# Altium PCB cyber60-mx.PcbDoc (part 2 of 4) (continued)
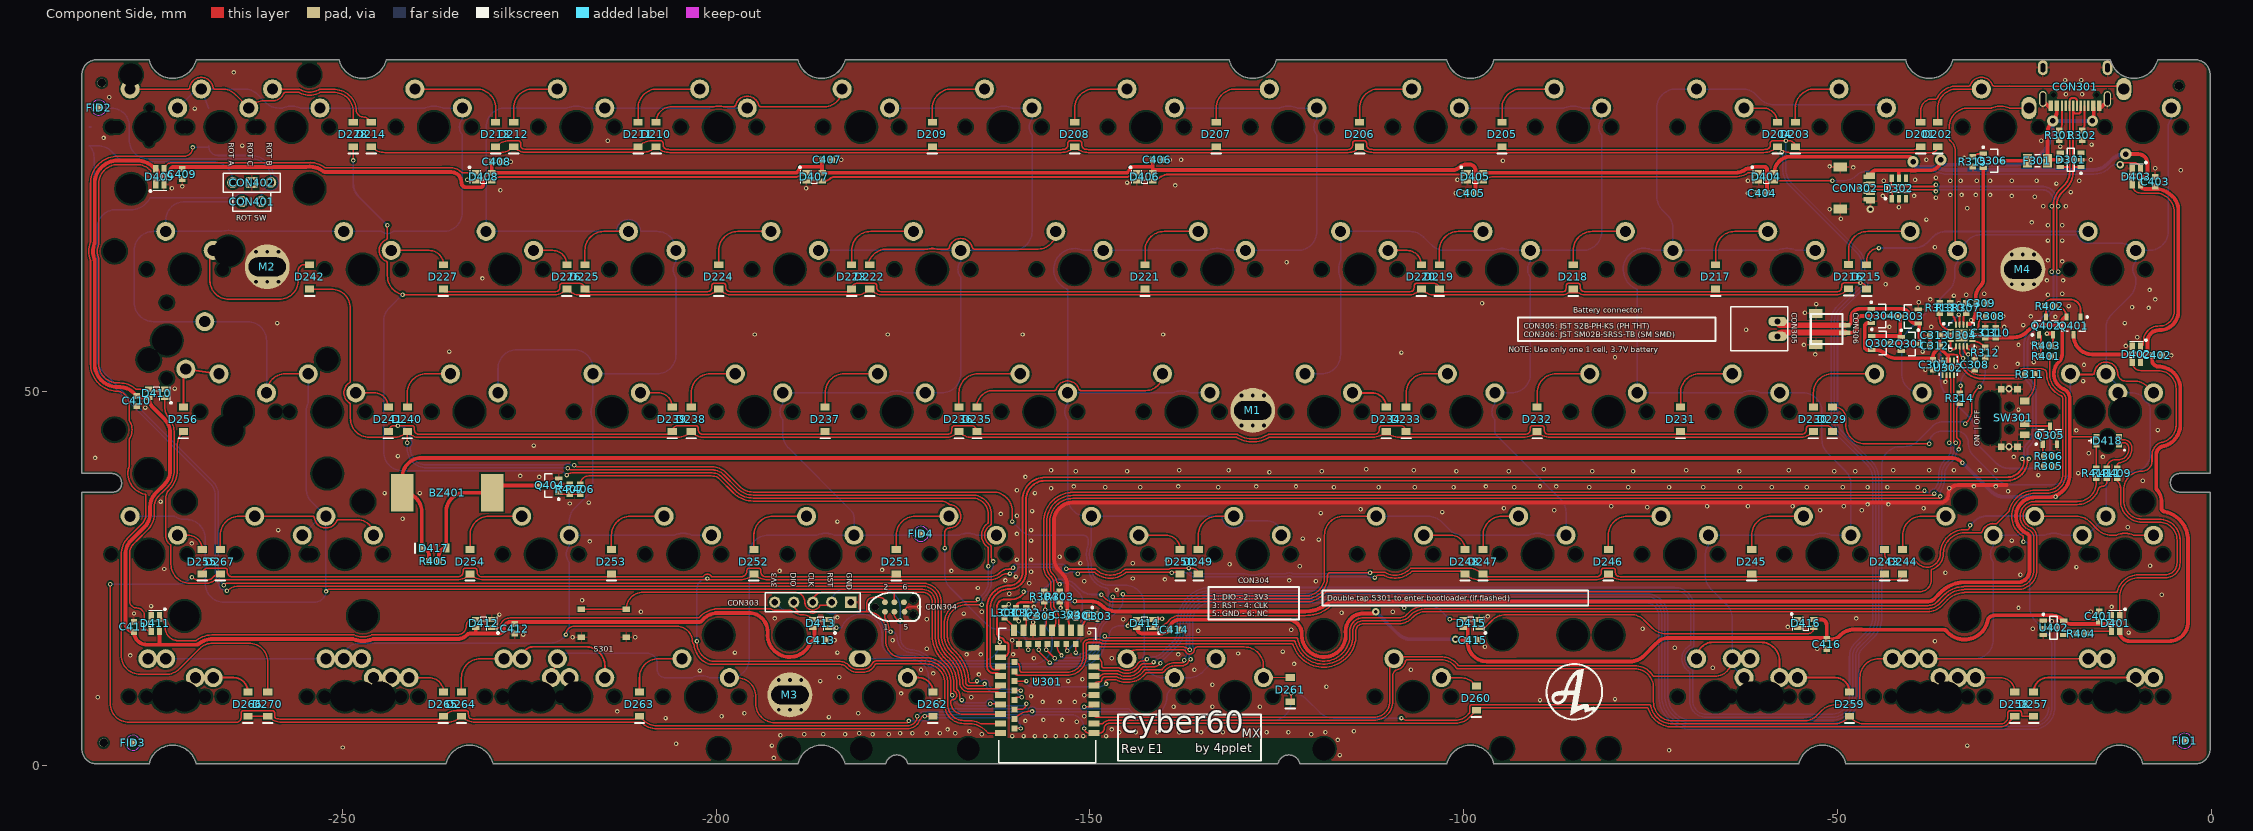
[diagram p0: Component Side view]
## Nets (pads, with @x,y where several pads share a name; then routed paths per layer and width w, separated by ;. In a path a pad name is that pad's centre, name@x,y a point inside that pad or via, vN(x,y) a via of type N, cw(c..) or ccw(c..) an arc to the next point about the centre after c; other vN are vias at no path point) (continued)
  Component Side w0.203: CON304.5@-174.799,20.574 cw(c-174.164,20.574) -174.164,21.209 v1(-172.847,21.209)
  Component Side w0.254: v1(-35.56,51.308) ccw(c-35.876,51.624) -35.429,51.624 U302.6@-35.429,52.268 ; U304.4@-34.851,56.781 -34.851,55.805 cw(c-35.104,55.805) v1(-34.925,55.626) -34.606,55.626 ccw(c-34.606,56.081) U304.5@-34.151,56.081 ; U302.1@-34.429,54.158 ccw(c-33.096,54.158) -34.039,53.216 v1(-34.036,53.213) ; U304.8@-32.651,56.081 ccw(c-32.196,56.081) -32.196,55.626 -31.877,55.626 ccw(c-31.877,55.88) v1(-31.623,55.88) -31.608,55.88 C308.1@-31.608,54.61 ; Q402.2@-21.148,57.601 -21.148,56.459 -21.448,56.159 R403.2@-21.448,56.134 -21.321,56.007 v1(-20.701,56.007)
  Component Side w0.305: v1(-233.299,78.359) ccw(c-232.915,78.743) -232.915,78.2 D408.3@-232.148,78.2 ; D414.3@-141.585,19.55 cw(c-141.381,19.346) -141.381,19.634 v1(-140.342,19.634)
  Component Side w0.5: U301.21@-157.612,18.106 -157.612,19.441 cw(c-157.114,19.441) C305.1@-157.114,19.939 ; C304.1@-153.011,20.643 -153.011,23.943 ccw(c-155.551,23.943) -153.755,25.739 -154.069,26.053 cw(c-152.273,27.849) -154.813,27.849 -154.813,32.639 cw(c-152.273,32.639) -152.273,35.179 -36.195,35.179 ccw(c-36.195,36.195) -35.179,36.195 cw(c-33.851,36.195) -33.851,37.523 -27.356,37.523 ; C312.1@-37.607,56.134 C313.1@-37.607,57.531 ; v1(-21.971,57.785) -21.332,57.785 cw(c-21.332,57.601) Q402.2@-21.148,57.601
  Component Side w0.508: CON301.S1@-22.52,88.915 -21.715,88.11 ccw(c-21.45,88.374) CON301.B1A12@-21.45,88 ; CON301.A1B12@-14.95,88 ccw(c-14.95,88.374) -14.685,88.11 CON301.S1@-13.88,88.915
  Bottom Layer w0.203: U401.C@-283.844,85.415 U401.C@-283.594,85.415 ; CON402.2@-262.128,77.978 CON402.2@-262.128,78.156
  other v1: -192.278,1.016 -116.586,1.397 -72.517,2.032 -249.936,2.413 -192.532,2.667 -32.639,2.667 -205.359,2.921 -116.84,3.429 -160.401,3.937 -158.877,3.937 -157.353,3.937 -155.956,3.937 -154.559,3.937 -153.162,3.937 -151.765,3.937 -150.876,3.937 -147.828,3.937 -191.389,4.064 -188.214,4.191 -185.674,4.191 -182.753,4.191 -179.07,4.191 -176.911,4.191 -164.465,4.191 -120.396,4.191 -180.848,4.318 -175.387,4.318 -173.736,4.318 -171.831,4.303 -170.053,4.318 -168.021,4.318 -146.05,4.445 -143.891,4.445 -140.97,4.445 -138.049,4.445 -135.128,4.445 -132.207,4.445 -129.286,4.445 -126.365,4.445 -123.444,4.445 -118.491,4.445 -166.116,4.572 -114.681,4.572 -169.037,4.826 -147.066,4.826 -151.765,5.842 -158.623,5.969 -156.21,6.096 -153.67,6.096 -206.756,6.35 -184.912,6.477 -199.263,6.604 -150.749,6.604 -196.215,6.985 -180.975,6.985 -213.233,7.239 -138.811,7.874 -133.604,7.874 -127.254,7.874 -156.337,8.509 -154.051,8.509 -152.019,8.509 -170.18,8.763 -89.789,8.763 -79.756,8.89 -282.708,9.143 -165.862,9.144 -157.861,9.271 -150.749,9.398 -175.26,9.652 -118.364,10.541 -133.604,10.795 -186.055,11.303 -155.321,11.303 -152.908,11.303 -157.353,11.43 -151.003,11.557 -183.515,11.811 -164.846,12.192 -170.942,12.319 -202.184,12.7 -172.593,12.827 -136.017,12.827 -107.061,12.827 -66.675,13.081 -122.682,13.589 -157.48,14.351 -147.066,14.351 -278.384,14.732 -166.497,14.859 -164.592,14.859 -160.274,14.859 -138.176,14.859 -130.175,14.986 -197.485,15.113 -183.769,15.113 -124.206,15.24 -171.831,15.621 -52.705,15.621 -71.755,15.748 -97.155,15.875 -36.957,16.637 -184.15,16.764 -176.403,16.764 -160.401,16.764 -219.202,17.145 -210.82,17.145 -225.806,17.526 -150.114,17.78 -11.049,17.78 -135.509,18.034 -123.063,18.161 -76.073,18.288 -23.876,18.288 -56.642,18.542 -157.607,19.177 -159.512,19.304 -21.336,19.304 -171.831,19.558 -145.542,19.558 -192.151,19.685 -47.498,19.685 -183.769,19.812 -96.774,19.939 -228.981,20.193 -166.878,20.32 -277.869,20.337 -116.332,20.447 -210.058,20.574 -164.465,20.574 -109.474,20.574 -16.129,20.574 -25.781,21.082 -157.48,21.209 -13.335,21.209 -275.59,21.336 -217.932,22.098 -6.604,22.86 -160.782,22.987 -146.431,23.495 -164.973,23.749 -158.115,24.384 -150.749,24.638 -119.761,24.638 -161.29,24.765 -123.317,24.765 -139.954,24.892 -144.272,25.019 -159.893,25.273 -25.527,25.527 -35.56,25.781 -157.861,25.908 -191.516,26.035 -168.529,26.035 -177.8,26.162 -273.812,26.289 -18.034,26.543 -121.92,26.67 -8.176,26.721 -131.318,26.924 -151.257,27.051 -144.272,27.051 -139.7,27.432 -159.766,27.559 -157.861,27.559 -154.051,27.94 -270.129,29.718 -216.916,29.972 -157.861,30.099 -26.67,30.099 -119.38,30.226 -121.539,30.353 -159.766,30.988 -258.572,31.496 -157.861,31.496 -11.176,31.877 -183.769,32.639 -241.935,33.02 -159.766,33.401 -161.925,33.655 -119.121,33.773 -102.87,33.909 -157.734,34.036 -87.884,34.163 -52.324,34.163 -46.736,34.163 -113.792,34.29 -94.615,34.417 -38.481,34.417 -75.438,34.544 -80.264,34.671 -67.437,34.671 -61.976,34.671 -56.007,34.671 -49.149,34.671 -45.974,34.925 -43.18,34.925 -219.583,35.052 -217.043,35.179 -274.32,35.306 -244.348,36.449 -239.649,36.449 -157.353,36.449 -27.178,36.703 -159.766,36.83 -155.194,37.084 -35.052,37.084 -147.955,37.211 -143.256,37.211 -132.842,37.211 -117.348,37.211 -111.379,37.211 -106.553,37.211 -101.346,37.211 -93.218,37.211 -83.185,37.211 -77.978,37.211 -72.517,37.211 -67.945,37.211 -62.992,37.211 -58.801,37.211 -54.102,37.211 -49.276,37.211 -45.974,37.211 -43.307,37.211 -39.243,37.211 -152.146,37.338 -138.176,37.338 -127.762,37.338 -122.428,37.338 -97.028,37.338 -89.789,37.338 -87.63,37.338 -31.75,37.338 -28.829,37.338 -220.853,37.592 -9.144,38.1 -223.647,38.608 -158.623,38.608 -226.187,38.735 -23.114,38.862 -17.78,39.116 -125.984,39.243 -151.886,39.351 -145.034,39.37 -118.999,39.37 -100.965,39.37 -93.98,39.37 -82.804,39.37 -77.343,39.37 -63.119,39.37 -50.419,39.37 -47.625,39.37 -155.194,39.497 -138.049,39.497 -131.445,39.497 -106.68,39.497 -70.231,39.497 -56.515,39.497 -42.545,39.497 -37.719,39.497 -34.417,39.497 -30.988,39.497 -28.829,39.497 -113.03,39.624 -89.281,39.624 -283.083,41.148 -26.416,41.275 -14.478,41.275 -242.57,41.402 -16.383,41.783 -224.409,42.799 -20.701,44.069 -18.034,44.831 -7.16,44.882 -26.162,46.482 -25.781,47.625 -276.352,47.879 -272.415,50.419 -17.145,51.435 -38.227,52.959 -28.829,53.34 -17.018,53.594 -25.908,53.721 -23.749,53.975 -79.756,54.61 -5.334,54.864 -52.959,54.991 -108.331,55.245 -235.712,55.372 -38.608,55.372 -28.702,55.88 -11.43,56.134 -54.483,56.261 -25.781,56.261 -23.876,56.515 -9.906,57.277 -33.401,57.531 -194.818,57.658 -177.038,57.658 -159.004,57.658 -140.208,57.658 -62.23,58.293 -43.053,58.674 -37.465,58.674 -27.686,58.674 -25.146,58.928 -258.699,59.182 -11.557,59.182 -20.832,60.001 -27.813,60.071 -24.13,60.071 -54.356,60.579 -8.382,61.214 -10.581,61.298 -19.05,61.468 -52.832,61.722 -97.536,61.849 -33.782,61.849 -39.116,61.976 -37.592,62.357 -7.493,62.357 -34.417,62.865 -32.766,62.992 -21.844,62.992 -30.353,63.119 -19.939,63.119 -8.255,63.627 -39.243,63.881 -43.561,64.389 -21.971,64.897 -19.812,64.897 -231.267,65.151 -123.698,67.31 -19.939,67.437 -21.844,67.564 -36.957,69.342 -21.844,70.231 -19.939,70.231 -21.844,72.263 -19.939,72.263 -24.003,72.644 -38.1,73.025 -49.53,73.152 -51.054,74.422 -32.639,74.549 -41.783,74.676 -22.479,74.803 -19.431,74.803 -36.83,75.946 -23.622,76.073 -43.942,76.2 -39.751,76.2 -26.67,76.2 -34.925,76.327 -33.401,76.327 -31.496,76.327 -29.591,76.327 -101.092,76.581 -61.976,76.581 -18.796,76.708 -228.854,76.962 -272.796,77.216 -187.96,77.216 -47.117,77.216 -271.399,77.47 -138.572,77.597 -20.701,77.851 -145.034,77.978 -61.976,78.232 -43.815,78.232 -34.925,78.232 -33.528,78.232 -31.369,78.232 -29.591,78.232 -26.67,78.232 -23.368,78.232 -17.653,78.232 -100.838,78.359 -39.624,78.359 -36.83,78.613 -11.684,79.121 -4.064,79.629 -7.493,79.883 -47.879,80.01 -51.054,80.137 -227.457,80.772 -94.742,80.899 -183.261,81.026 -139.319,81.026 -137.795,81.026 -38.1,81.026 -16.129,81.026 -33.02,81.28 -20.193,82.804 -263.398,82.931 -16.002,83.058 -214.503,83.566 -22.733,83.566 -281.94,83.947 -269.748,87.884 -281.178,89.408 -19.431,89.789 -17.272,89.789 -19.558,91.694 -17.399,91.694 -264.541,92.71
  other v2: -27.051,42.672 -27.051,50.419 -45.593,74.422
GREEN: R411.1 U301.28 | length 170.4
  Component Side w0.203: U301.28@-160.102,13.851 cw(c-160.102,13.134) -159.385,13.134 -159.385,12.804 ccw(c-159.049,12.804) -159.049,12.468 -153.044,12.468 ccw(c-153.044,14.605) -150.907,14.605 -150.907,16.156 cw(c-150.202,16.156) -150.202,16.861 -148.702,16.861 cw(c-148.702,16.156) -148.272,16.714 ccw(c-148.149,16.876) -148.15,16.673 -122.708,16.673 cw(c-122.709,16.47) -122.512,16.52 ccw(c-118.718,17.47) -121.902,15.198 ccw(c-118.718,17.47) -121.545,14.767 -121.536,14.757 ccw(c-121.388,14.896) -121.531,14.752 cw(c-121.674,14.607) -121.528,14.749 ccw(c-118.718,17.47) -120.778,14.145 ccw(c-118.718,17.47) -115.442,15.333 ccw(c-118.718,17.47) -114.812,17.268 ccw(c-115.011,17.309) -114.808,17.308 -114.808,17.373 cw(c-114.604,17.372) -114.808,17.375 ccw(c-118.718,17.47) -114.833,17.928 cw(c-114.631,17.951) -114.835,17.95 ccw(c-115.038,17.958) -114.835,17.962 -114.835,17.97 cw(c-113.426,17.973) -114.835,17.973 cw(c-113.426,17.973) -113.426,19.382 -108.625,19.382 ccw(c-108.625,21.283) -107.297,19.923 ccw(c-108.625,21.283) -107.281,19.938 -107.086,20.133 cw(c-105.006,18.052) -105.006,20.995 -37.889,20.995 ccw(c-37.889,23.132) -36.608,21.422 ccw(c-37.889,23.132) -36.378,21.621 -35.576,22.423 ccw(c-35.719,22.567) -35.571,22.428 cw(c-32.994,20.01) -33.128,23.541 ; -33.097,23.545 cw(c-33.02,23.149) -33.02,23.552 -25.892,23.552 ccw(c-25.892,26.092) -23.352,26.092 -23.352,30.561 ccw(c-24.819,30.563) -23.352,30.566 ccw(c-24.819,30.563) -24.227,31.905 cw(c-23.596,33.345) -23.993,34.866 cw(c-23.596,33.345) -23.622,34.916 cw(c-23.596,33.345) -23.572,34.916 ccw(c-23.569,35.12) -23.571,34.916 ccw(c-23.569,35.12) -23.569,34.916 -18.923,34.916 -18.608,34.916 -17.907,34.916 ccw(c-17.907,37.86) -17.904,34.916 ccw(c-17.907,37.86) -15.642,35.98 ccw(c-17.907,37.86) -15.118,36.919 cw(c-14.926,36.854) -15.094,36.968 cw(c-14.605,36.83) -14.605,37.338 -14.598,37.338 ccw(c-14.598,37.966) -13.97,37.966 R411.1@-13.97,38.085 ; R411.1@-13.843,38.085 R411.1@-13.843,38.212
NetBZ401_2: BZ401.2 D417.1 Q404.3 R405.2 | length 22
  Component Side w0.508: R405.2@-237.094,27.305 -237.094,28.098 cw(c-236.109,28.098) D417.1@-236.109,29.083 -236.109,33.96 cw(c-233.569,33.96) -233.569,36.5 BZ401.2@-229.966,36.5 cw(c-228.874,36.5) -229.719,37.191 cw(c-229.446,37.191) -229.446,37.465 Q404.3@-223.45,37.465
NetC303_2: C303.2 U301.11 X301.1 | length 3.9
  Component Side w0.254: U301.11@-151.262,18.106 -150.989,18.729 -150.591,19.493 X301.1@-150.368,20.066 ccw(c-149.791,20.066) -149.791,19.489 C303.2@-148.971,19.489
NetC304_2: C304.2 U301.13 X301.2 | length 3.2
  Component Side w0.254: U301.13@-152.532,18.106 -152.805,18.729 -152.863,19.595 C304.2@-153.011,19.743 -151.868,19.743 X301.2@-151.868,20.066
NetCON301_A5: CON301.A5 R302.1 | length 3.4
  Component Side w0.254: R302.1@-17.272,84.978 ccw(c-18.049,85.755) -16.95,85.755 -16.95,85.965 ccw(c-17.204,85.966) -16.955,86.017 cw(c-15.9,86.233) -16.955,86.449 ccw(c-17.204,86.5) -16.95,86.501 CON301.A5@-16.95,88.25
NetCON301_B5: CON301.B5 R301.1 | length 3.4
  Component Side w0.254: R301.1@-20.32,84.978 ccw(c-21.213,85.871) -19.95,85.871 CON301.B5@-19.95,88.25
NetCON305_1: CON305.1 CON306.1 Q301.3 Q302.3 Q303.1 Q304.1 | length 28.5
  Component Side w0.5: CON306.1@-49,58.896 -48.681,58.896 ccw(c-48.681,59.444) -48.133,59.444 -48.133,59.992 cw(c-47.038,59.992) -47.038,61.087 Q304.1@-45.466,61.087 -41.369,61.087 cw(c-41.369,60.104) -40.386,60.104 -40.386,60.01 ccw(c-39.497,60.01) -39.497,59.121 Q303.1@-39.186,59.121 -39.059,59.121 Q301.3@-39.059,56.515 ; Q302.3@-42.996,56.515 Q301.3@-39.059,56.515 ; Q301.3@-39.059,56.388 Q301.3@-39.059,56.515
  Component Side w0.8: CON305.1@-58,59.404 ccw(c-57.492,59.404) -57.492,58.896 CON306.1@-49,58.896
NetCON305_2: CON305.2 CON306.2 Q301.1 Q302.1 Q303.3 Q304.3 | length 25.1
  Component Side w0.5: CON306.2@-49,57.896 -48.205,57.896 ccw(c-48.205,58.73) -47.371,58.73 -47.371,59.563 cw(c-46.797,59.563) -46.797,60.137 Q304.3@-43.066,60.137 -41.586,60.137 Q303.3@-41.586,60.071 Q301.1@-41.586,57.465 ; Q302.1@-45.396,57.465 Q301.1@-41.586,57.465 ; Q301.1@-41.459,57.338 -41.586,57.338 Q301.1@-41.586,57.465
  Component Side w0.8: CON305.2@-58,57.404 cw(c-57.508,57.404) -57.508,57.896 CON306.2@-49,57.896
NetD201_1: D201.1 S201.1 | length 32.8
  Component Side w0.203: D201.1@-38.862,86.05 -38.862,87.63 cw(c-37.338,87.63) -37.338,89.154 -36.853,89.154 ccw(c-36.853,89.357) -36.671,89.267 cw(c-34.036,87.955) -34.036,90.898 -33.655,90.898 -32.408,90.898 ccw(c-32.408,91.101) -32.217,91.032 cw(c-30.74,90.495) -29.263,91.032 ccw(c-29.072,91.101) -29.072,90.898 -26.959,90.898 S201.1@-12.429,90.898 ; -26.958,90.898 ccw(c-26.958,90.932) -26.924,90.932 ; -12.745,90.932 cw(c-12.745,89.44) S201.1@-12.429,90.898 ; S201.1@-12.429,90.898 cw(c-12.745,89.44) S201.1@-11.69,90.495 ccw(c-12.093,90.495) -12.093,90.898 S201.1@-12.429,90.898
NetD202_1: D202.1 S202.1 | length 9.2
  Component Side w0.203: D202.1@-36.576,86.05 -36.576,87.955 cw(c-34.036,87.955) -34.036,90.495 S202.1@-30.74,90.495
NetD203_1: D203.1 S203.1 | length 9.2
  Component Side w0.203: D203.1@-55.626,86.05 -55.626,87.955 cw(c-53.086,87.955) -53.086,90.495 S203.1@-49.79,90.495
NetD204_1: D204.1 S204.1 | length 5.5
  Component Side w0.203: S204.1@-62.49,87.955 -59.944,87.955 cw(c-59.944,86.05) D204.1@-58.039,86.05
NetD205_1: D205.1 S205.1 | length 10.3
  Component Side w0.203: D205.1@-94.869,86.05 -94.869,87.955 cw(c-92.329,87.955) -92.329,90.495 S205.1@-87.89,90.495
NetD206_1: D206.1 S206.1 | length 10.3
  Component Side w0.203: D206.1@-113.919,86.05 -113.919,87.955 cw(c-111.379,87.955) -111.379,90.495 S206.1@-106.94,90.495
NetD207_1: D207.1 S207.1 | length 10.5
  Component Side w0.203: D207.1@-133.096,86.05 -133.096,87.955 cw(c-130.556,87.955) -130.556,90.495 S207.1@-125.99,90.495
NetD208_1: D208.1 S208.1 | length 14.3
  Component Side w0.203: D208.1@-152.019,86.05 -152.019,87.955 ; S208.1@-145.04,90.495 -149.479,90.495 ; -152.019,87.955 cw(c-149.479,87.955) -149.479,90.495 ; -152.019,87.955 cw(c-149.479,87.955) -149.479,90.495
NetD209_1: D209.1 S209.1 | length 10.3
  Component Side w0.203: D209.1@-171.069,86.05 -171.069,87.955 cw(c-168.529,87.955) -168.529,90.495 S209.1@-164.09,90.495
NetD210_1: D210.1 S210.1 | length 28.8
  Component Side w0.203: D210.1@-208.026,86.05 cw(c-205.938,86.05) -205.938,88.138 -202.057,88.138 -200.327,88.138 ccw(c-200.327,88.341) -200.282,88.143 cw(c-199.65,85.415) -199.018,88.143 ccw(c-198.973,88.341) -198.973,88.138 -197.639,88.138 ccw(c-197.639,88.392) -197.392,88.332 cw(c-195.84,87.955) -194.288,88.332 ccw(c-194.041,88.392) -194.041,88.138 -185.497,88.138 ccw(c-185.497,90.495) S210.1@-183.14,90.495
NetD211_1: D211.1 S211.1 | length 11.7
  Component Side w0.203: D211.1@-210.439,85.963 -210.439,87.955 cw(c-207.899,87.955) -207.899,90.495 S211.1@-202.19,90.495
NetD212_1: D212.1 S212.1 | length 9.2
  Component Side w0.203: D212.1@-227.076,86.05 -227.076,87.955 cw(c-224.536,87.955) -224.536,90.495 S212.1@-221.24,90.495
NetD213_1: D213.1 S213.1 | length 14.2
  Component Side w0.203: S213.1@-240.29,90.495 -232.029,90.495 cw(c-232.029,87.955) -229.489,87.955 D213.1@-229.489,86.05
NetD214_1: D214.1 S214.1 | length 16.9
  Component Side w0.203: S214.1@-258.26,90.17 -259.015,90.17 cw(c-259.015,90.495) S214.1@-259.34,90.495 ccw(c-259.217,90.618) -259.217,90.444 -255.818,90.444 cw(c-255.816,89.838) -255.519,90.366 ccw(c-254.381,92.4) -255.089,90.18 ccw(c-254.381,92.4) -255.087,90.179 ccw(c-254.381,92.4) -254.381,90.07 ccw(c-254.381,92.4) -253.243,90.366 cw(c-252.946,89.838) -253.241,90.368 cw(c-252.946,89.838) -252.978,90.443 cw(c-252.956,90.041) -252.956,90.444 -250.975,90.444 cw(c-250.974,90.041) -250.959,90.444 cw(c-251.079,87.503) -248.163,87.901 -248.163,87.899 cw(c-251.079,87.503) -248.136,87.552 ccw(c-247.933,87.555) -248.13,87.505 ccw(c-247.142,87.762) -247.142,86.741 cw(c-247.142,85.956) -246.587,86.511 D214.1@-246.126,86.05
NetD215_1: D215.1 S215.1 | length 31.9
  Component Side w0.203: D215.1@-46.101,67 -46.101,67.564 cw(c-44.45,67.564) v1(-44.45,69.215)
  Bottom Layer w0.254: v1(-44.45,69.215) -39.787,69.215 ccw(c-39.787,71.755) -37.991,69.959 -37.249,70.701 cw(c-35.453,68.905) -35.453,71.445 S215.1@-16.452,71.445
NetD216_1: D216.1 S216.1 | length 11.6
  Component Side w0.203: D216.1@-48.514,67.04 -48.514,68.905 cw(c-45.974,68.905) -45.974,71.445 S216.1@-40.265,71.445
NetD217_1: D217.1 S217.1 | length 10.3
  Component Side w0.203: D217.1@-66.294,67 -66.294,68.905 cw(c-63.754,68.905) -63.754,71.445 S217.1@-59.315,71.445
NetD218_1: D218.1 S218.1 | length 10.3
  Component Side w0.203: D218.1@-85.344,67 -85.344,68.905 cw(c-82.804,68.905) -82.804,71.445 S218.1@-78.365,71.445
NetD219_1: D219.1 S219.1 | length 9.2
  Component Side w0.203: D219.1@-103.251,67 -103.251,68.905 cw(c-100.711,68.905) -100.711,71.445 S219.1@-97.415,71.445
NetD220_1: D220.1 S220.1 | length 5.5
  Component Side w0.203: S220.1@-110.115,68.905 -107.569,68.905 cw(c-107.569,67) D220.1@-105.664,67
NetD221_1: D221.1 S221.1 | length 10.5
  Component Side w0.203: D221.1@-142.621,67 -142.621,68.905 cw(c-140.081,68.905) -140.081,71.445 S221.1@-135.515,71.445
NetD222_1: D222.1 S222.1 | length 28.8
  Component Side w0.203: D222.1@-179.651,67.069 cw(c-177.165,66.548) -177.165,69.088 -171.752,69.088 ccw(c-171.752,69.291) -171.707,69.093 cw(c-171.075,66.365) -170.443,69.093 ccw(c-170.398,69.291) -170.398,69.088 -169.064,69.088 ccw(c-169.064,69.342) -168.817,69.282 cw(c-167.265,68.905) -165.713,69.282 ccw(c-165.466,69.342) -165.466,69.088 -156.922,69.088 ccw(c-156.922,71.445) S222.1@-154.565,71.445
NetD223_1: D223.1 S223.1 | length 11.6
  Component Side w0.203: D223.1@-181.864,67 -181.864,68.905 cw(c-179.324,68.905) -179.324,71.445 S223.1@-173.615,71.445
NetD224_1: D224.1 S224.1 | length 10.3
  Component Side w0.203: D224.1@-199.644,67 -199.644,68.905 cw(c-197.104,68.905) -197.104,71.445 S224.1@-192.665,71.445
NetD225_1: D225.1 S225.1 | length 9.2
  Component Side w0.203: D225.1@-217.551,67 -217.551,68.905 cw(c-215.011,68.905) -215.011,71.445 S225.1@-211.715,71.445
NetD226_1: D226.1 S226.1 | length 5.5
  Component Side w0.203: S226.1@-224.415,68.905 -221.869,68.905 cw(c-221.869,67) D226.1@-219.964,67
NetD227_1: D227.1 S227.1 | length 8.1
  Component Side w0.203: S227.1@-243.465,68.905 -238.379,68.905 cw(c-238.379,67) D227.1@-236.474,67
NetD228_1: D228.1 S228.2 | length 36.2
  Component Side w0.203: S228.2@-278.384,90.495 -270.622,90.495 ccw(c-270.622,90.698) -270.42,90.675 cw(c-268.859,90.495) -267.298,90.675 ccw(c-267.096,90.698) -267.096,90.495 -266.101,90.495 cw(c-266.101,87.955) -264.305,89.751 S228.2@-262.509,87.955 -262.289,88.175 cw(c-260.493,86.379) -260.493,88.919 -259.083,88.919 ccw(c-259.34,90.495) -258.889,88.963 ccw(c-259.34,90.495) -257.864,89.884 cw(c-257.63,89.787) -257.63,90.041 -255.817,90.041 cw(c-255.816,89.838) -255.717,90.015 ccw(c-254.381,92.4) -253.54,89.799 ccw(c-254.381,92.4) -253.045,90.015 cw(c-252.946,89.838) -252.956,90.041 -250.974,90.041 cw(c-251.079,87.503) -248.539,87.503 D228.1@-248.539,86.05
NetD229_1: D229.1 S229.1 | length 66.9
  Component Side w0.203: D229.1@-50.673,47.95 -50.363,47.95 cw(c-50.363,46.482) -48.895,46.482 -48.895,45.593 ccw(c-46.355,45.593) -46.355,43.053 v1(-37.719,43.053) ; S229.1@-18.834,52.395 ccw(c-18.625,52.604) -18.625,52.308 -15.842,52.308 ccw(c-15.842,52.512) -15.639,52.498 cw(c-14.071,52.395) -15.633,52.574 cw(c-14.071,52.395) -13.228,53.721 cw(c-14.071,52.395) -12.51,52.575 cw(c-14.071,52.395) -12.51,52.574 cw(c-14.071,52.395) -12.503,52.498 cw(c-14.071,52.395) -12.503,52.497 cw(c-14.071,52.395) -12.5,52.415 ccw(c-11.44,52.498) -11.44,51.435 -10.353,51.435 cw(c-10.353,48.895) -8.557,50.691 S229.1@-8.334,50.467
  Bottom Layer w0.203: v1(-37.719,43.053) cw(c-36.068,43.053) -36.068,44.704 -34,44.704 cw(c-34,43.216) -32.512,43.216 ccw(c-29.972,43.216) -31.768,41.42 -28.684,38.336 ccw(c-26.888,40.132) -26.888,37.592 -21.209,37.592 ccw(c-21.209,39.967) -18.834,39.967 S229.1@-18.834,52.395 S229.1@-18.834,52.832
NetD230_1: D230.1 S230.1 | length 11.5
  Component Side w0.203: D230.1@-53.213,47.95 -53.213,49.855 cw(c-50.673,49.855) -50.673,52.395 S230.1@-45.027,52.395
NetD231_1: D231.1 S231.1 | length 10.3
  Component Side w0.203: D231.1@-70.993,47.95 -70.993,49.855 cw(c-68.453,49.855) -68.453,52.395 S231.1@-64.077,52.395
NetD232_1: D232.1 S232.1 | length 10.4
  Component Side w0.203: D232.1@-90.17,47.95 -90.17,49.855 cw(c-87.63,49.855) -87.63,52.395 S232.1@-83.127,52.395
NetD233_1: D233.1 S233.1 | length 8.9
  Component Side w0.203: D233.1@-107.696,47.95 -107.696,49.855 cw(c-105.156,49.855) -105.156,52.395 S233.1@-102.177,52.395
NetD234_1: D234.1 S234.1 | length 5.6
  Component Side w0.254: S234.1@-114.877,49.855 -112.268,49.855 cw(c-112.268,47.95) D234.1@-110.363,47.95
NetD235_1: D235.1 S235.1 | length 28.5
  Component Side w0.203: D235.1@-165.1,47.95 -165.1,48.006 cw(c-162.941,48.006) -162.941,50.165 -159.258,50.165 -154.74,50.165 ccw(c-154.74,50.419) -154.499,50.342 cw(c-152.977,49.855) -151.456,50.342 ccw(c-151.215,50.419) -151.215,50.165 -142.508,50.165 ccw(c-142.508,52.395) S235.1@-140.277,52.395
NetD236_1: D236.1 S236.1 | length 11.5
  Component Side w0.203: D236.1@-167.513,47.95 -167.513,49.855 cw(c-164.973,49.855) -164.973,52.395 S236.1@-159.327,52.395
NetD237_1: D237.1 S237.1 | length 10.4
  Component Side w0.203: D237.1@-185.42,47.95 -185.42,49.855 cw(c-182.88,49.855) -182.88,52.395 S237.1@-178.377,52.395
NetD238_1: D238.1 S238.1 | length 9.3
  Component Side w0.203: D238.1@-203.327,47.95 -203.327,49.855 cw(c-200.787,49.855) -200.787,52.395 S238.1@-197.427,52.395
NetD239_1: D239.1 S239.1 | length 5.3
  Component Side w0.203: S239.1@-210.127,49.855 -207.772,49.855 cw(c-207.772,47.95) D239.1@-205.867,47.95
NetD240_1: D240.1 S240.1 | length 9.1
  Component Side w0.203: D240.1@-241.3,47.95 -241.3,49.855 cw(c-238.76,49.855) -238.76,52.395 S240.1@-235.527,52.395
NetD241_1: D241.1 S241.1 | length 5.4
  Component Side w0.203: S241.1@-248.202,49.855 -245.745,49.855 cw(c-245.745,47.95) D241.1@-243.84,47.95
NetD242_1: D242.1 S242.1 STAB2.@-265.225,68.783 | length 22
  Component Side w0.203: S242.1@-267.52,68.832 ccw(c-267.277,68.467) -267.716,68.467 -267.716,64.897 ccw(c-265.176,64.897) -265.176,62.357 -258.445,62.357 ccw(c-258.445,64.897) -255.905,64.897 -255.905,66.167 cw(c-255.072,66.167) -255.072,67 D242.1@-254.381,67
NetD243_1: D243.1 S243.1 | length 43.6
  Component Side w0.203: D243.1@-43.688,28.9 -43.688,28.321 ccw(c-42.672,28.321) -42.672,27.305 -39.787,27.305 cw(c-39.787,24.765) -39.563,27.295 cw(c-39.582,27.093) -39.421,27.217 ccw(c-38.04,28.265) -37.973,26.533 ; -39.42,27.216 ccw(c-38.04,28.265) -37.973,26.533 ; -36.239,28.34 ccw(c-32.96,28.265) -36.24,28.29 cw(c-36.443,28.292) -36.24,28.283 cw(c-37.995,28.341) -36.784,27.069 ccw(c-36.644,26.922) -36.79,27.064 cw(c-38.04,28.265) -37.973,26.533 ; -36.239,28.341 cw(c-32.96,28.265) -35.91,29.699 cw(c-32.96,28.265) -33.423,31.512 -33.421,31.512 cw(c-32.96,28.265) -32.711,31.535 ccw(c-32.695,31.738) -32.677,31.536 cw(c-32.64,31.134) -32.64,31.537 ccw(c-32.64,33.46) -32.618,31.537 ccw(c-32.62,31.741) -32.476,31.598 ccw(c-33.02,32.131) v1(-32.258,32.131) ; S243.1@-23.596,33.345 -18.014,33.345 cw(c-18.014,30.805) -16.218,32.601 -15.166,31.549 ccw(c-13.37,33.345) -13.37,30.805 -12.755,30.805 ccw(c-12.755,31.008) -12.672,30.823 cw(c-11.531,28.265) -10.391,30.823 ccw(c-10.308,31.008) -10.308,30.805 S243.1@-7.721,30.805
  Bottom Layer w0.254: v1(-32.258,32.131) -31.76,32.629 cw(c-29.964,30.833) -30.97,33.165 cw(c-29.964,30.833) -29.964,33.373 -23.624,33.373 S243.1@-23.596,33.345
NetD244_1: D244.1 S244.1 | length 9.2
  Component Side w0.203: D244.1@-41.275,28.9 -41.275,30.805 cw(c-38.735,30.805) -38.735,33.345 S244.1@-35.433,33.345
NetD245_1: D245.1 S245.1 | length 10.3
  Component Side w0.203: D245.1@-61.468,28.9 -61.468,30.805 cw(c-58.928,30.805) -58.928,33.345 S245.1@-54.552,33.345
NetD246_1: D246.1 S246.1 | length 10.4
  Component Side w0.203: D246.1@-80.645,28.9 -80.645,30.805 cw(c-78.105,30.805) -78.105,33.345 S246.1@-73.602,33.345
NetD247_1: D247.1 S247.1 | length 8.1
  Component Side w0.203: D247.1@-97.409,28.9 -97.409,30.805 cw(c-94.869,30.805) -94.869,33.345 S247.1@-92.652,33.345
NetD248_1: D248.1 S248.1 | length 6.6
  Component Side w0.203: S248.1@-105.352,30.805 -101.727,30.805 cw(c-101.727,28.9) D248.1@-99.822,28.9
NetD249_1: D249.1 S249.1 | length 8.1
  Component Side w0.203: D249.1@-135.509,28.9 -135.509,30.805 cw(c-132.969,30.805) -132.969,33.345 S249.1@-130.752,33.345
NetD250_1: D250.1 S250.1 | length 6.6
  Component Side w0.203: S250.1@-143.452,30.805 -139.827,30.805 cw(c-139.827,28.9) D250.1@-137.922,28.9
NetD251_1: D251.1 S251.1 | length 10.4
  Component Side w0.203: D251.1@-175.895,28.9 -175.895,30.805 cw(c-173.355,30.805) -173.355,33.345 S251.1@-168.852,33.345
NetD252_1: D252.1 S252.1 | length 10.4
  Component Side w0.203: D252.1@-194.945,28.9 -194.945,30.805 cw(c-192.405,30.805) -192.405,33.345 S252.1@-187.902,33.345
NetD253_1: D253.1 S253.1 | length 10.4
  Component Side w0.203: D253.1@-213.995,28.9 -213.995,30.805 cw(c-211.455,30.805) -211.455,33.345 S253.1@-206.952,33.345
NetD254_1: D254.1 S254.1 | length 10.3
  Component Side w0.203: D254.1@-232.918,28.9 -232.918,30.805 cw(c-230.378,30.805) -230.378,33.345 S254.1@-226.002,33.345
NetD255_1: D255.1 S255.1 | length 4.4
  Component Side w0.203: S255.1@-272.04,30.805 -270.637,30.805 cw(c-270.637,28.9) D255.1@-268.732,28.9
NetD256_1: D256.1 S256.1 S256_1.1 | length 9.7
  Component Side w0.254: D256.1@-271.272,47.95 -271.272,52.233 cw(c-270.138,52.233) S256_1.1@-270.94,53.035 S256.1@-266.49,52.395
NetD257_1: D257.1 S257.1 | length 14.7
  Component Side w0.254: D257.1@-23.749,9.85 cw(c-21.844,9.85) -21.844,11.755 S257.1@-10.102,11.755
NetD258_1: D258.1 S258.1 S258_1.1 | length 8.7
  Component Side w0.203: S258.1@-33.909,11.755 S258.1@-31.528,11.755 -28.194,11.755 cw(c-28.194,9.85) D258.1@-26.289,9.85
NetD259_1: D259.1 S259.1 S259_1.1 | length 24.9
  Component Side w0.203: S259.1@-58.291,12.319 S259.1@-57.727,11.755
  Component Side w0.254: S259_1.1@-68.839,14.295 cw(c-66.638,14.295) -66.638,16.496 -60.267,16.496 cw(c-60.267,13.956) -57.727,13.956 S259.1@-57.727,11.755 ; S259.1@-55.346,11.755 -50.292,11.755 cw(c-50.292,9.85) D259.1@-48.387,9.85
NetD260_1: D260.1 S260.1 | length 5
  Component Side w0.203: S260.1@-102.97,11.755 -100.453,11.755 cw(c-100.453,9.215) -98.657,11.011 D260.1@-98.298,10.652